# Altium PCB 电机驱动部分参考布局.PcbDoc (part 1 of 2)
Units mm, origin at the board's own origin, x right, y up, seen from the top; angles counter-clockwise.
Board outline 65.25 x 196.25 mm, 2 copper layers (Top Layer, Bottom Layer), stack 0.325 mm thick; 229 components, 145 nets, 646 pads, 366 vias.
Unrouted connection lines stored in the file: 1.
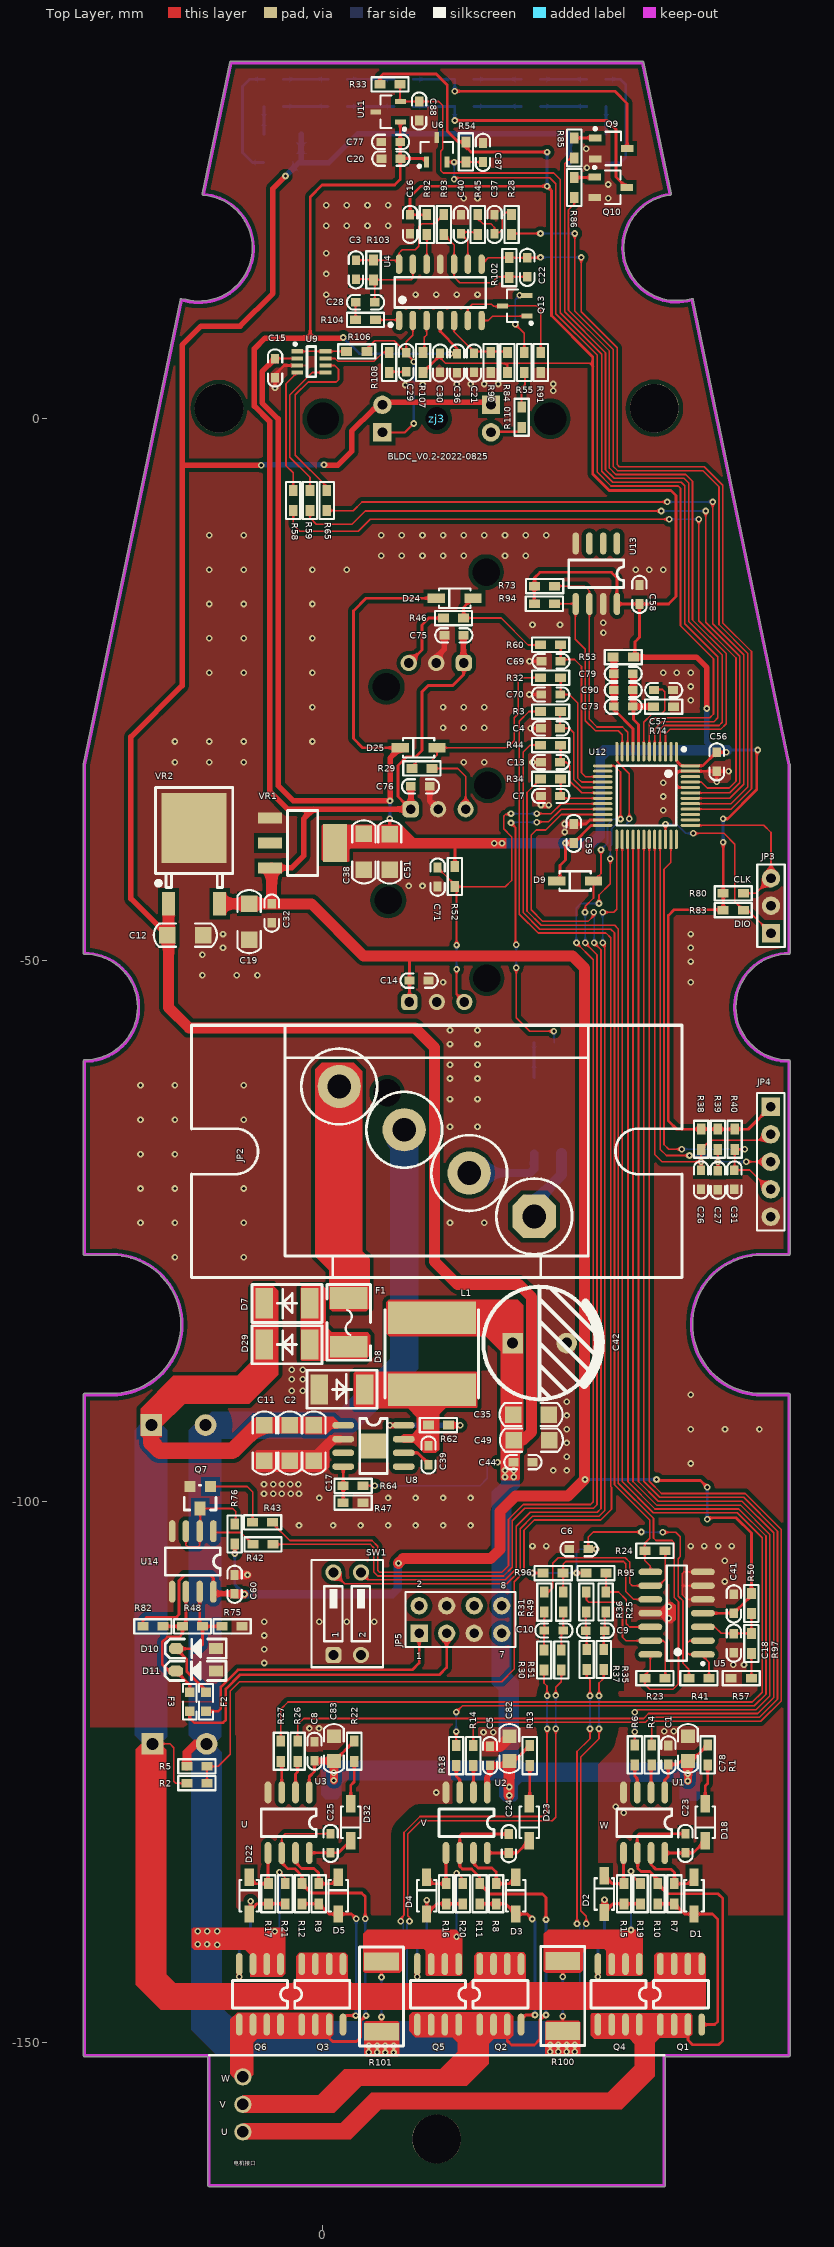
[diagram p0: Top Layer view]
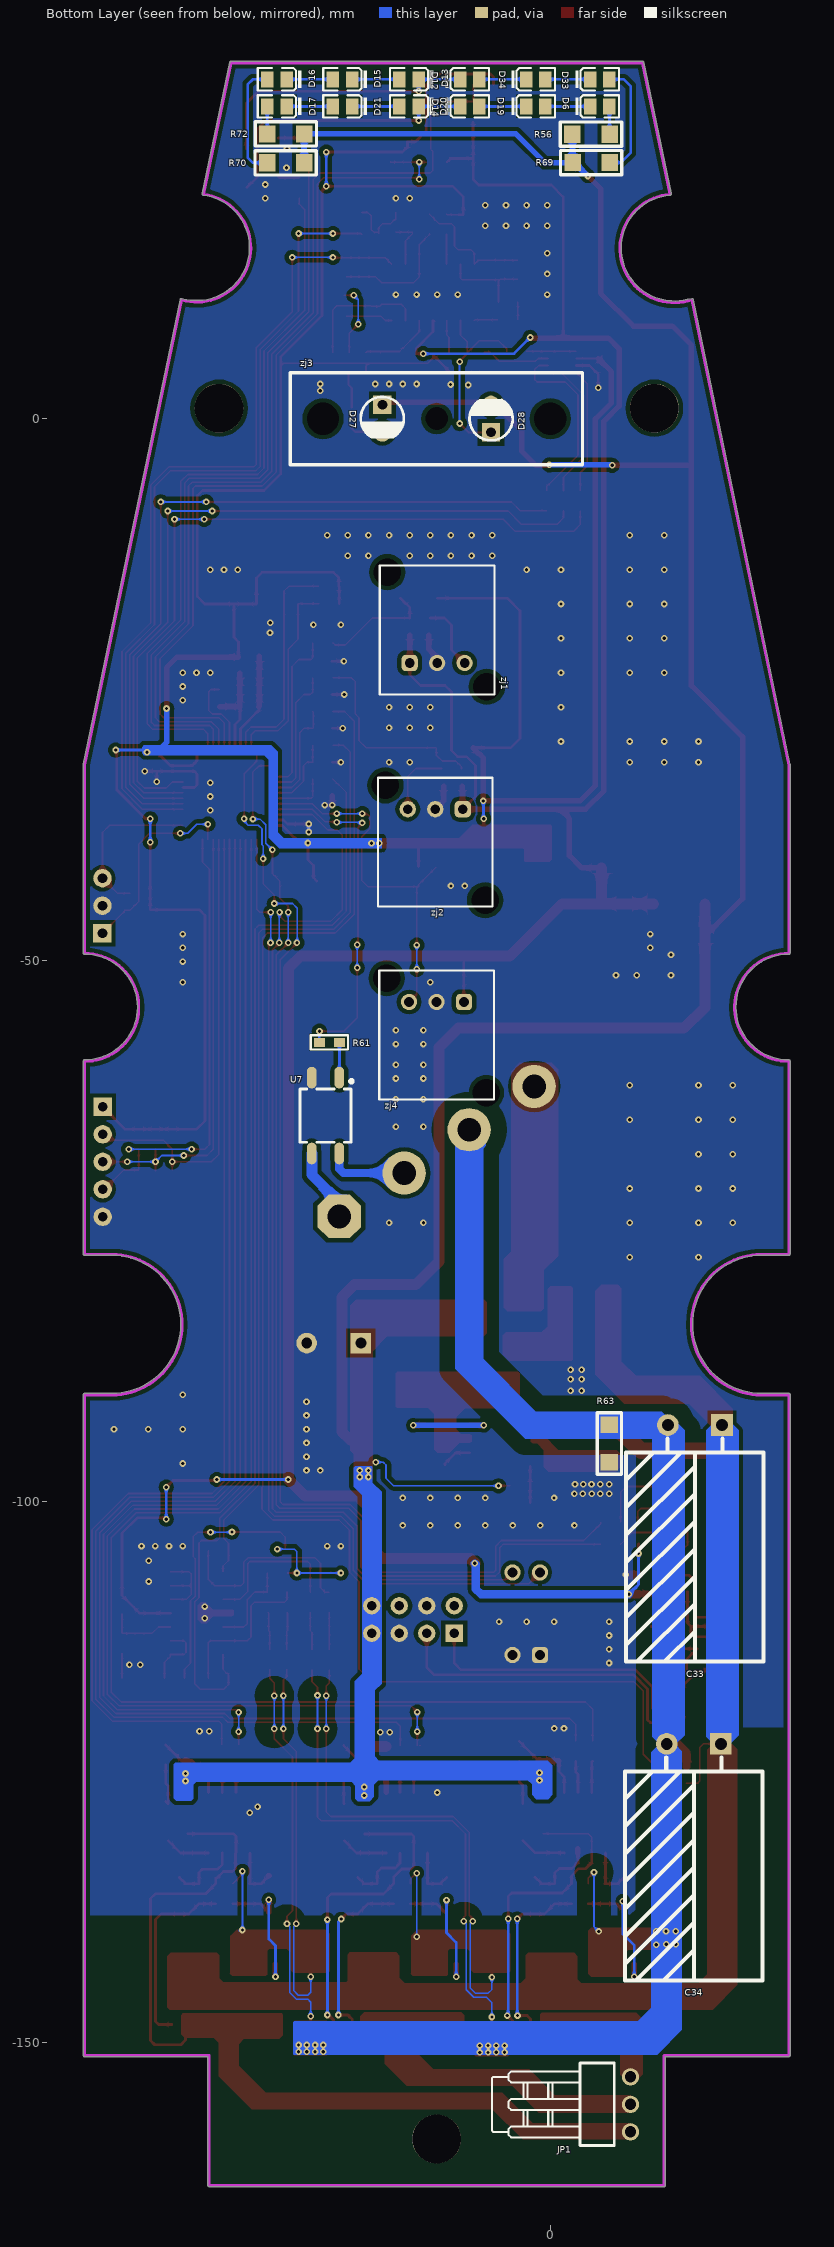
[diagram p1: Bottom Layer view, seen from below]

## Layer stack, top to bottom
Top Solder: solder mask 0.0102, Solder Resist, Dk 3.5
Top Layer: signal copper 0.0356
Dielectric 1: core 0.254, FR-4, Dk 4.2
Bottom Layer: signal copper 0.0356
Bottom Solder: solder mask 0.0102, Solder Resist, Dk 3.5

## Board outline
-22.127,-90.14 cw(c-22,-90.14) -22,-90.012 -19.5,-90.012 ccw(c-19.5,-83.64) -13.127,-83.64 ccw(c-19.5,-83.64) -19.5,-77.267 -22,-77.267 cw(c-22,-77.14) -22.127,-77.14 -22.127,-59.34 cw(c-22,-59.34) -22,-59.212 ccw(c-22,-54.34) -17.127,-54.34 ccw(c-22,-54.34) -22,-49.467 cw(c-22,-49.34) -22.127,-49.34 -22.127,-31.94 cw(c-22,-31.94) -22.125,-31.914 -13.187,10.986 cw(c-13.063,10.96) -13.039,11.085 -12.661,11.014 cw(c-12.685,10.889) -12.652,11.012 ccw(c-11.431,15.751) -6.538,15.751 ccw(c-11.431,15.751) -11.032,20.628 cw(c-11.022,20.755) -11.147,20.781 -8.625,32.886 cw(c-8.5,32.86) -8.5,32.988 29.5,32.988 cw(c29.5,32.86) 29.625,32.886 32.153,20.781 cw(c32.028,20.755) 32.155,20.755 cw(c32.028,20.755) 32.044,20.629 cw(c32.669,15.786) 32.044,20.629 ccw(c32.669,15.786) 33.618,10.996 34.041,11.085 cw(c34.068,10.96) 34.042,11.085 34.041,11.085 34.042,11.085 cw(c34.068,10.96) 34.192,10.986 43.125,-31.914 cw(c43,-31.94) 43.127,-31.94 43.127,-49.34 cw(c43,-49.34) 43,-49.467 ccw(c43,-54.34) 43,-59.212 cw(c43,-59.34) 43.127,-59.34 cw(c43,-59.34) 43.127,-59.341 43.127,-77.14 cw(c43,-77.14) 43,-77.267 40.5,-77.267 ccw(c40.5,-83.64) 40.5,-90.012 43,-90.012 cw(c43,-90.14) 43.127,-90.14 43.127,-151.14 cw(c43,-151.14) 43,-151.267 31.627,-151.267 31.627,-163.14 cw(c31.5,-163.14) 31.5,-163.267 -10.5,-163.267 cw(c-10.5,-163.14) -10.627,-163.14 -10.627,-151.267 -22,-151.267 cw(c-22,-151.14) -22.127,-151.14

## Design rules (kind name [scope] priority, off if disabled: settings)
Clearance Clearance_1 [InNet('PGND') vs (InPolygon)] p1: gap=1.5 ignorepadtopadclearanceinfootprint=FALSE except(0: Arc-Hole Track-Hole SMDPad-Hole THPad-Hole Via-Hole Fill-Hole Poly-Hole Region-Hole Text-Hole)
Clearance ANT [InNetClass('ANT') vs (InPolygon)] p2: gap=1.27 ignorepadtopadclearanceinfootprint=FALSE except(0: Arc-Hole Track-Hole SMDPad-Hole THPad-Hole Via-Hole Fill-Hole Poly-Hole Region-Hole Text-Hole)
Clearance GND [(InPolygon)] p3: gap=0.381 ignorepadtopadclearanceinfootprint=FALSE except(0: Arc-Hole Track-Hole SMDPad-Hole THPad-Hole Via-Hole Fill-Hole Poly-Hole Region-Hole Text-Hole)
Clearance Clearance_2 [IsPad AND InComponent('JMP1') vs IsPad AND InComponent('JMP1')] p4: gap=0.025 ignorepadtopadclearanceinfootprint=FALSE except(0: Arc-Hole Track-Hole SMDPad-Hole THPad-Hole Via-Hole Fill-Hole Poly-Hole Region-Hole Text-Hole)
Clearance W5500_Pad [IsPad AND InComponent('U1') vs IsPad AND InComponent('U1')] p5: gap=0.102 ignorepadtopadclearanceinfootprint=FALSE except(0: Arc-Hole Track-Hole SMDPad-Hole THPad-Hole Via-Hole Fill-Hole Poly-Hole Region-Hole Text-Hole)
Clearance Mcu_Pad [IsPad AND InComponent('U12') vs IsPad AND InComponent('U12')] p6: gap=0.152 ignorepadtopadclearanceinfootprint=FALSE except(0: Arc-Hole Track-Hole SMDPad-Hole THPad-Hole Via-Hole Fill-Hole Poly-Hole Region-Hole Text-Hole)
Clearance [All] p7: gap=0.203 ignorepadtopadclearanceinfootprint=FALSE except(0: Arc-Hole Track-Hole SMDPad-Hole THPad-Hole Via-Hole Fill-Hole Poly-Hole Region-Hole Text-Hole)
ComponentClearance [All] p1: gap=0 collisioncheckmode=3 verticalgap=0 showdistances=FALSE
DiffPairsRouting [All] p1: maxlimit=0.254 minlimit=0.254 mostfreqgap=0.254 toplayer_minwidth=0.152 toplayer_maxwidth=0.381 toplayer_prefwidth=0.381 bottomlayer_minwidth=0.152 bottomlayer_maxwidth=0.381 bottomlayer_prefwidth=0.381 maxuncoupledlength=12.7
HoleSize [All] p1: absolutevalues=TRUE maxlimit=12.7 minlimit=0.025 maxpercent=80.000 minpercent=20.000
HoleToHoleClearance [All] p1: gap=0 allowstackedmicrovias=TRUE
MinimumSolderMaskSliver [All] p1: minsoldermaskwidth=0
PlaneConnect [All] p1: planeconnectstyle=Direct reliefexpansion=0.508 reliefentries=4 reliefconductorwidth=0.254 reliefairgap=0.254
PolygonConnect [All] p1: connectstyle=Direct reliefconductorwidth=0.254 reliefentries=4 polygonreliefangle="90 Angle" airgapwidth=0.254
RoutingVias [All] p1: holewidth=0.305 width=0.61 viastyle="Through Hole" minholewidth=0.305 minwidth=0.61 maxholewidth=0.305 maxwidth=0.61
SilkToBoardRegionClearance [All] p1 off:
SilkToSilkClearance [All] p1: silktosilkclearance=0
SilkToSolderMaskClearance [IsPad] p1: minsilkscreentomaskgap=0 clearancetoexposedcopper=TRUE
SolderMaskExpansion [All] p1: expansion=0.102 istentingtop=FALSE
Width [All] p1: maxlimit=2.54 minlimit=0.152 preferedwidth=0.203
21 further rules are at their usual default settings.

## Classes and differential pairs
component class power_eg: C2 C11 C12 C17 C19 C32 C33 C34 C35 C38 C39 C42 C44 C49 C51 C73 C79 C90 D7 D8 D29 F1 JP2 L1 R47 R53 R61 R62 R63 R64 R74 U7 U8 VR1 VR2
component class Mcu: C56 C57 C58 C59 C60 D9 D10 D11 F2 F3 JP3 Q7 R42 R43 R48 R73 R75 R76 R80 R82 R83 R94 U12 U13 U14
component class FOC_4: C1 C4 C5 C6 C7 C8 C9 C10 C13 C18 C23 C24 C25 C26 C27 C31 C41 C78 C82 C83 D1 D2 D3 D4 D5 D18 D22 D23 D32 JP1 JP4 Q1 Q2 Q3 Q4 Q5 Q6 R1 R2 R3 R4 R5 R6 R7 R8 R9 R10 R11 R12 R13 R14 R15 R16 R17 R18 R19 R20 R21 R22 R23 R24 R25 R26 R27 R30 R31 R34 R35 R36 R37 R38 R39 R40 R41 R44 R49 R50 R51 R57 R95 R96 R97 R100 R101 U1 U2 U3 U5
component class others: C14 C20 C69 C70 C71 C75 C76 C77 C87 C88 D6 D12 D13 D14 D15 D16 D17 D19 D20 D21 D24 D25 D33 D34 HOLD1 JP5 Q9 Q10 R29 R32 R33 R46 R52 R54 R56 R60 R69 R70 R72 R85 R86 SW1 U6 U11 zj1 zj2 zj3 zj4
component class Photo1: C3 C15 C16 C21 C22 C28 C29 C30 C36 C37 C40 D27 D28 Q13 R28 R45 R55 R58 R59 R65 R84 R90 R91 R92 R93 R102 R103 R104 R106 R107 R108 U4 U9

## Components (designator, comment, footprint, x,y, rotation, side; value= is the part's Value field where it differs from the comment)
C1 "0.1uF" "C 0603" 31.893,-123.394 r90 top
C2 "10uF/50V" "C 1206" -3.058,-94.59 r90 top
C3 "22pf" "C 0603" 3.038,13.742 r270 top
C4 "1uF" "C 0603" 21.021,-28.601 r0 top
C5 "0.1uF" "C 0603" 15.421,-123.468 r90 top
C6 "0.1uF" "C 0603" 23.638,-104.394 r0 top
C7 "10nF" "C 0603" 21.021,-34.849 r0 top
C8 "0.1uF" "C 0603" -0.785,-123.061 r90 top
C9 "22pF" "C 0603" 25.162,-111.925 r0 top
C10 "22pF" "C 0603" 21.326,-111.913 r0 top
C11 "10uF/50V" "C 1206" -5.42,-94.59 r90 top
C12 "10uF/50V" "C 1206" -12.71,-47.702 r180 top
C13 "10nF" "C 0603" 21.021,-31.725 r0 top
C14 "0.1uF" "C 0603" 8.88,-51.893 r0 top
C15 "104" "C 0603" -4.429,4.673 r90 top
C16 "0.1uF" "C 0603" 8.042,17.933 r270 top
C17 "0.1uF" "C 1206" -0.848,-94.59 r90 top
C18 "1uF" "C 0603" 37.938,-113.081 r90 top
C19 "10uF/50V" "C 1206" -6.817,-46.457 r90 top
C20 "0.1uF" "C 0603" 6.264,24.003 r180 top
C21 "104" "C 0603" 13.935,5.13 r270 top
C22 "22pf" "C 0603" 18.862,13.97 r270 top
C23 "10uF/50V" "C 0603" 33.467,-131.572 r270 top
C24 "10uF/50V" "C 0603" 17.161,-131.598 r270 top
C25 "10uF/50V" "C 0603" 0.701,-131.572 r270 top
C26 "0.1uF" "C 0603" 34.915,-70.308 r270 top
C27 "0.1uF" "C 0603" 36.465,-70.333 r270 top
C28 "104" "C 0603" 3.927,10.744 r0 top
C29 "104" "C 0603" 7.686,5.182 r270 top
C30 "104" "C 0603" 10.811,5.13 r270 top
C31 "0.1uF" "C 0603" 37.989,-70.308 r270 top
C32 "0.1uF" "C 0603" -4.734,-45.67 r90 top
C33 "470uF/50V" "CAP 5.0*12.5*20-H - BK" -13.345,-92.939 r0 bottom locked
C34 "470uF/50V" "CAP 5.0*12.5*20-H - BK" -13.243,-122.378 r0 bottom
C35 "10uF/50V" "C 1206" 19.218,-91.974 r180 top
C36 "104" "C 0603" 12.385,5.13 r90 top
C37 "1uF" "C 0603" 15.84,17.931 r270 top
C38 "10uF" "C 1206" 3.775,-40.005 r90 top
C39 "0.1uF" "C 0603" 9.744,-95.708 r90 top
C40 "1uF" "C 0603" 12.741,17.931 r270 top
C41 "10nF" "C 0603" 37.938,-109.449 r270 top
C42 "470uF/25V" "CAP 5.0*10*12.5 - BK" 20.005,-85.37 r0 top locked
C44 "0.1uF" "C 0603" 18.456,-96.368 r180 top
C49 "1uF/50V" "C 1206" 19.243,-94.336 r180 top
C51 "1uF/50V" "C 1206" 6.162,-40.031 r90 top
C56 "0.1uF" "C 0603" 36.363,-31.7 r270 top
C57 "0.1uF" "C 0603" 31.461,-25.07 r0 top
C58 "0.1uF" "C 0603" 29.226,-16.231 r90 top
C59 "0.1uF" "C 0603" 23.155,-38.304 r90 top
C60 "0.1uF" "C 0603" -8.163,-107.646 r90 top
C69 "0.1uF" "C 0603" 21.047,-22.403 r180 top
C70 "0.1uF" "C 0603" 21.021,-25.477 r180 top
C71 "0.1uF" "C 0603" 10.582,-42.342 r270 top
C73 "10nF" "C 0603" 27.727,-26.593 r180 top
C75 "0.1uF" "C 0603" 12.081,-20.016 r180 top
C76 "0.1uF" "C 0603" 9.007,-33.96 r0 top
C77 "0.1uF" "C 0603" 6.239,25.552 r180 top
C78 "10uF" "C 0805" 33.696,-122.809 r90 top
C79 "4.7uF" "C 0603" 27.727,-23.572 r180 top
C82 "10uF" "C 0805" 17.211,-122.809 r90 top
C83 "10uF" "C 0805" 1.006,-122.809 r90 top
C87 "10nF" "C 0603" 14.773,24.587 r90 top
C88 "10nF" "C 0603" 8.88,28.397 r270 top
C90 "0.1uF" "C 0603" 27.727,-25.07 r180 top
D1 "1N4148" SOD123 34.255,-136.398 r270 top
D2 "1N4148" SOD123 25.974,-136.246 r270 top
D3 "1N4148" SOD123 17.796,-136.398 r270 top
D4 "1N4148" SOD123 9.566,-136.398 r270 top
D5 "1N4148" SOD123 1.413,-136.398 r270 top
D6 "红灯 0805" 0805_LED_S1 -4.55,28.83 r180 bottom
D7 "SS3200" SMA -1.432,-81.687 r180 top
D8 "SS3200" SMA -0.137,-89.662 r0 top
D9 "1N4148" SOD123 23.282,-42.698 r0 top
D10 "P6SMB6.8CA" SOD-123F -11.719,-113.589 r180 top
D11 "P6SMB6.8CA" SOD-123F -11.745,-115.647 r180 top
D12 "翠绿 0805" 0805_LED_S1 7.45,31.33 r180 bottom
D13 "翠绿 0805" 0805_LED_S1 13.05,31.33 r0 bottom
D14 "红灯 0805" 0805_LED_S1 7.45,28.83 r180 bottom
D15 "翠绿 0805" 0805_LED_S1 19.2,31.33 r0 bottom
D16 "翠绿 0805" 0805_LED_S1 25.25,31.33 r0 bottom
D17 "红灯 0805" 0805_LED_S1 25.25,28.83 r0 bottom
D18 "1N4148" SOD123 35.296,-129.617 r90 top
D19 "红灯 0805" 0805_LED_S1 1.35,28.83 r180 bottom
D20 "红灯 0805" 0805_LED_S1 13.05,28.83 r0 bottom
D21 "红灯 0805" 0805_LED_S1 19.2,28.83 r0 bottom
D22 "1N4148" SOD123 -6.817,-136.398 r270 top
D23 "1N4148" SOD123 19.04,-129.617 r90 top
D24 "1N4148" SOD123 12.157,-16.587 r0 top
D25 "1N4148" SOD123 8.829,-30.404 r0 top
D27 "红灯 0603" "LED 3MM-Y" 15.512,0 r270 bottom
D28 "红灯 0603" "LED 3MM-Y" 5.487,0 r90 bottom
D29 "SS3200" SMA -1.432,-85.497 r180 top
D32 "1N4148" SOD123 2.556,-129.617 r90 top
D33 "翠绿 0805" 0805_LED_S1 -4.55,31.33 r180 bottom
D34 "翠绿 0805" 0805_LED_S1 1.35,31.33 r180 bottom
F1 "30V 2A" "FU 1812" 2.378,-83.465 r270 top
F2 "Fuse 2" "FU 0603" -10.805,-118.491 r270 top
F3 "Fuse 2" "FU 0603" -12.303,-118.491 r270 top
JP1 "HDR-1X3" KF3P -7.4,-155.67 r270 bottom locked
JP2 "HDR-1X4" 大电流4P 19.5,-73.67 r180 top locked
JP3 "HDR-1X3" HDR-1X3 41.367,-47.524 r90 top
JP4 "HDR-1X5" HDR-1X5 41.341,-63.551 r270 top
JP5 "Header 4X2" HDR-4X2 8.88,-112.17 r0 top locked
L1 "100uH" L8040 10.049,-86.36 r270 top
Q1 "NCEP0114AS" SOP8 31.131,-148.277 r90 top
Q2 "NCEP0114AS" SOP8 14.454,-148.277 r90 top
Q3 "NCEP0114AS" SOP8 -1.993,-148.277 r90 top
Q4 "NCEP0114AS" SOP8 29.226,-142.74 r270 top
Q5 "NCEP0114AS" SOP8 12.549,-142.74 r270 top
Q6 "NCEP0114AS" SOP8 -3.898,-142.74 r270 top
Q7 "SS8050 Y1" SOT-23 -10.271,-98.603 r180 top
Q9 "AO3400A N道沟" SOT-23-3L 26.609,24.942 r180 top
Q10 "AO3400A N道沟" SOT-23-3L 26.559,21.361 r180 top
Q13 "1FW" SOT23-3L 17.694,10.414 r90 top
R1 "22R" "R 0603" 35.525,-123.395 r270 top
R2 "47K" "R 0603" -11.643,-126.01 r180 top
R3 "33K" "R 0603" 21.023,-27.051 r0 top
R4 "100R" "R 0603" 30.343,-123.392 r270 top
R5 "3.3K" "R 0603" -11.643,-124.46 r180 top
R6 "100R" "R 0603" 28.794,-123.392 r270 top
R7 "10R" "R 0603" 32.451,-136.221 r270 top
R8 "10R" "R 0603" 15.992,-136.221 r270 top
R9 "10R" "R 0603" -0.391,-136.221 r270 top
R10 "10K" "R 0603" 30.902,-136.221 r270 top
R11 "10K" "R 0603" 14.468,-136.221 r270 top
R12 "10K" "R 0603" -1.94,-136.221 r270 top
R13 "22R" "R 0603" 19.091,-123.469 r270 top
R14 "100R" "R 0603" 13.871,-123.469 r270 top
R15 "10R" "R 0603" 27.803,-136.221 r270 top
R16 "10R" "R 0603" 11.369,-136.221 r270 top
R17 "10R" "R 0603" -5.039,-136.221 r270 top
R18 "100R" "R 0603" 12.296,-123.469 r270 top
R19 "10K" "R 0603" 29.327,-136.221 r270 top
R20 "10K" "R 0603" 12.919,-136.221 r270 top
R21 "10K" "R 0603" -3.49,-136.221 r270 top
R22 "22R" "R 0603" 2.886,-123.062 r270 top
R23 "33K" "R 0603" 30.648,-116.307 r180 top
R24 "33K" "R 0603" 30.648,-104.547 r180 top
R25 "1K" "R 0603" 26.101,-109.284 r90 top
R26 "100R" "R 0603" -2.347,-123.062 r270 top
R27 "100R" "R 0603" -3.896,-123.062 r270 top
R28 "10K" "R 0603" 17.415,17.932 r90 top
R29 "1K" "R 0603" 9.134,-32.309 r0 top
R30 "1K" "R 0603" 20.412,-114.631 r90 top
R31 "1K" "R 0603" 20.437,-109.297 r90 top
R32 "1K" "R 0603" 21.023,-23.927 r0 top
R33 "10K" "R 0603" 6.188,30.861 r0 top
R34 "33K" "R 0603" 21.023,-33.274 r180 top
R35 "1K" "R 0603" 25.924,-114.592 r90 top
R36 "1K" "R 0603" 24.323,-109.284 r90 top
R37 "1K" "R 0603" 24.349,-114.592 r90 top
R38 "1K" "R 0603" 34.915,-66.548 r270 top
R39 "1K" "R 0603" 36.465,-66.548 r270 top
R40 "1K" "R 0603" 38.014,-66.548 r270 top
R41 "1K" "R 0603" 34.712,-116.307 r0 top
R42 "1K" "R 0603" -5.547,-103.963 r0 top
R43 "1K" "R 0603" -5.572,-101.931 r0 top
R44 "33K" "R 0603" 21.023,-30.15 r180 top
R45 "10K" "R 0603" 14.29,17.932 r270 top
R46 "1K" "R 0603" 12.055,-18.415 r180 top
R47 "1K" "R 0603" 2.784,-100.102 r0 top
R48 "NC" "R 0603" -12.049,-111.532 r180 top
R49 "1K" "R 0603" 22.19,-109.297 r90 top
R50 "20K" "R 0603" 39.563,-109.424 r270 top
R51 "1K" "R 0603" 22.012,-114.631 r90 top
R52 "10K" "R 0603" 12.182,-42.291 r90 top
R53 "4.7R" "R 0603" 27.728,-22.022 r180 top
R54 "10K" "R 0603" 13.198,24.638 r270 top
R55 "500R" "R 0603" 18.583,5.181 r90 top
R56 "390R" "R 1206"#1 -3.744,26.263 r0 bottom
R57 "100" "R 0603" 38.624,-116.307 r0 top
R58 "100R" "R 0603" -2.753,-7.57 r270 top
R59 "100R" "R 0603" -1.204,-7.57 r270 top
R60 "1K" "R 0603" 21.021,-20.879 r0 top
R61 "1K" "R 0603" 20.412,-57.608 r0 bottom
R62 "0.15R" "R 0603" 10.658,-92.939 r180 top
R63 "0R" "R 1206"#2 -5.445,-94.641 r270 bottom
R64 "9.1K" "R 0603" 2.784,-98.552 r180 top
R65 "100R" "R 0603" 0.346,-7.57 r270 top
R69 "220R" "R 1206"#1 -3.769,23.647 r0 bottom
R70 "220R" "R 1206"#1 24.45,23.622 r0 bottom
R72 "390R" "R 1206"#1 24.425,26.289 r0 bottom
R73 "10K" "R 0603" 20.463,-15.469 r0 top
R74 "0R" "R 0603" 31.461,-26.594 r180 top
R75 "2K" "R 0603" -8.392,-111.532 r180 top
R76 "4.7K" "R 0603" -8.162,-102.997 r90 top
R80 "1K" "R 0603" 37.887,-43.841 r180 top
R82 "2K" "R 0603" -15.707,-111.532 r180 top
R83 "1K" "R 0603" 37.887,-45.39 r180 top
R84 "20K" "R 0603" 17.034,5.181 r90 top
R85 "10R" "R 0603" 23.206,24.993 r270 top
R86 "10R" "R 0603" 23.206,21.336 r270 top
R90 "10K" "R 0603" 15.484,5.181 r90 top
R91 "100R" "R 0603" 20.107,5.181 r90 top
R92 "100R" "R 0603" 9.591,17.932 r90 top
R93 "2K2" "R 0603" 11.166,17.932 r90 top
R94 "10K" "R 0603" 20.437,-17.095 r0 top
R95 "20K" "R 0603" 25.212,-106.604 r0 top
R96 "20K" "R 0603" 21.25,-106.604 r0 top
R97 "10K" "R 0603" 39.563,-113.107 r90 top
R100 "0.05R" "R 2512-HP" 22.139,-145.669 r90 top
R101 "0.05R" "R 2512-HP" 5.4,-145.72 r90 top
R102 "510K" "R 0603" 17.211,13.944 r270 top
R103 "1M" "R 0603" 4.664,13.741 r270 top
R104 "100R" "R 0603" 3.928,9.118 r180 top
R106 "500R" "R 0603" 3.114,6.197 r180 top
R107 "1K" "R 0603" 9.236,5.181 r90 top
R108 "1K" "R 0603" 6.112,5.181 r90 top
R110 "500R" "R 0603" 18.339,0.127 r90 top (schematic designator R106)
SW1 "CSW-2P" SW-2P 2.23,-110.36 r0 top locked
U1 "EG2131" SOP8 31.588,-126.89 r270 top
U2 "EG2131" SOP8 15.19,-126.89 r270 top
U3 "EG2131" SOP8 -1.242,-126.89 r270 top
U4 "LM324DT" SOIC-14_150mil 10.836,11.658 r0 top
U5 "LM324DT" SOIC14 32.655,-110.313 r180 top
U6 "KTH1601" SOT23-3L 10.5,24.83 r0 top
U7 "AQY210S" AQY210S 20.767,-64.364 r0 bottom
U8 "EG1198" SOP8-9 2.251,-93.853 r0 top
U9 "TPL0501" SOT-23-8 -1.077,5.232 r180 top
U11 "KTH1601" SOT23-3L 6,28.33 r90 top
U12 "STM32F030C8_48Pin" LQFP-48_7x7x05P 29.878,-34.812 r180 top locked
U13 "MB85RC16B" SOP8 27.168,-11.557 r270 top
U14 "RS485" SOP8 -10.094,-102.769 r270 top
VR1 "AMS1117-3.3" SOT-223 -1.889,-39.193 r180 top
VR2 "L78M05ABDT-TR" TO-252-2-180 -11.897,-44.806 r90 top
zj1 "HDR-1X3" HEZJ 13,-22.57 r0 bottom locked
zj2 "HDR-1X3" HEZJ 8.093,-36.07 r180 bottom locked
zj3 "HDR-1X3" hwzj 10.5,0 r180 top locked
zj4 "HDR-1X3" HEZJ 7.972,-53.87 r180 bottom locked
